# Allegro board LAY_90818_C.brd (continued)
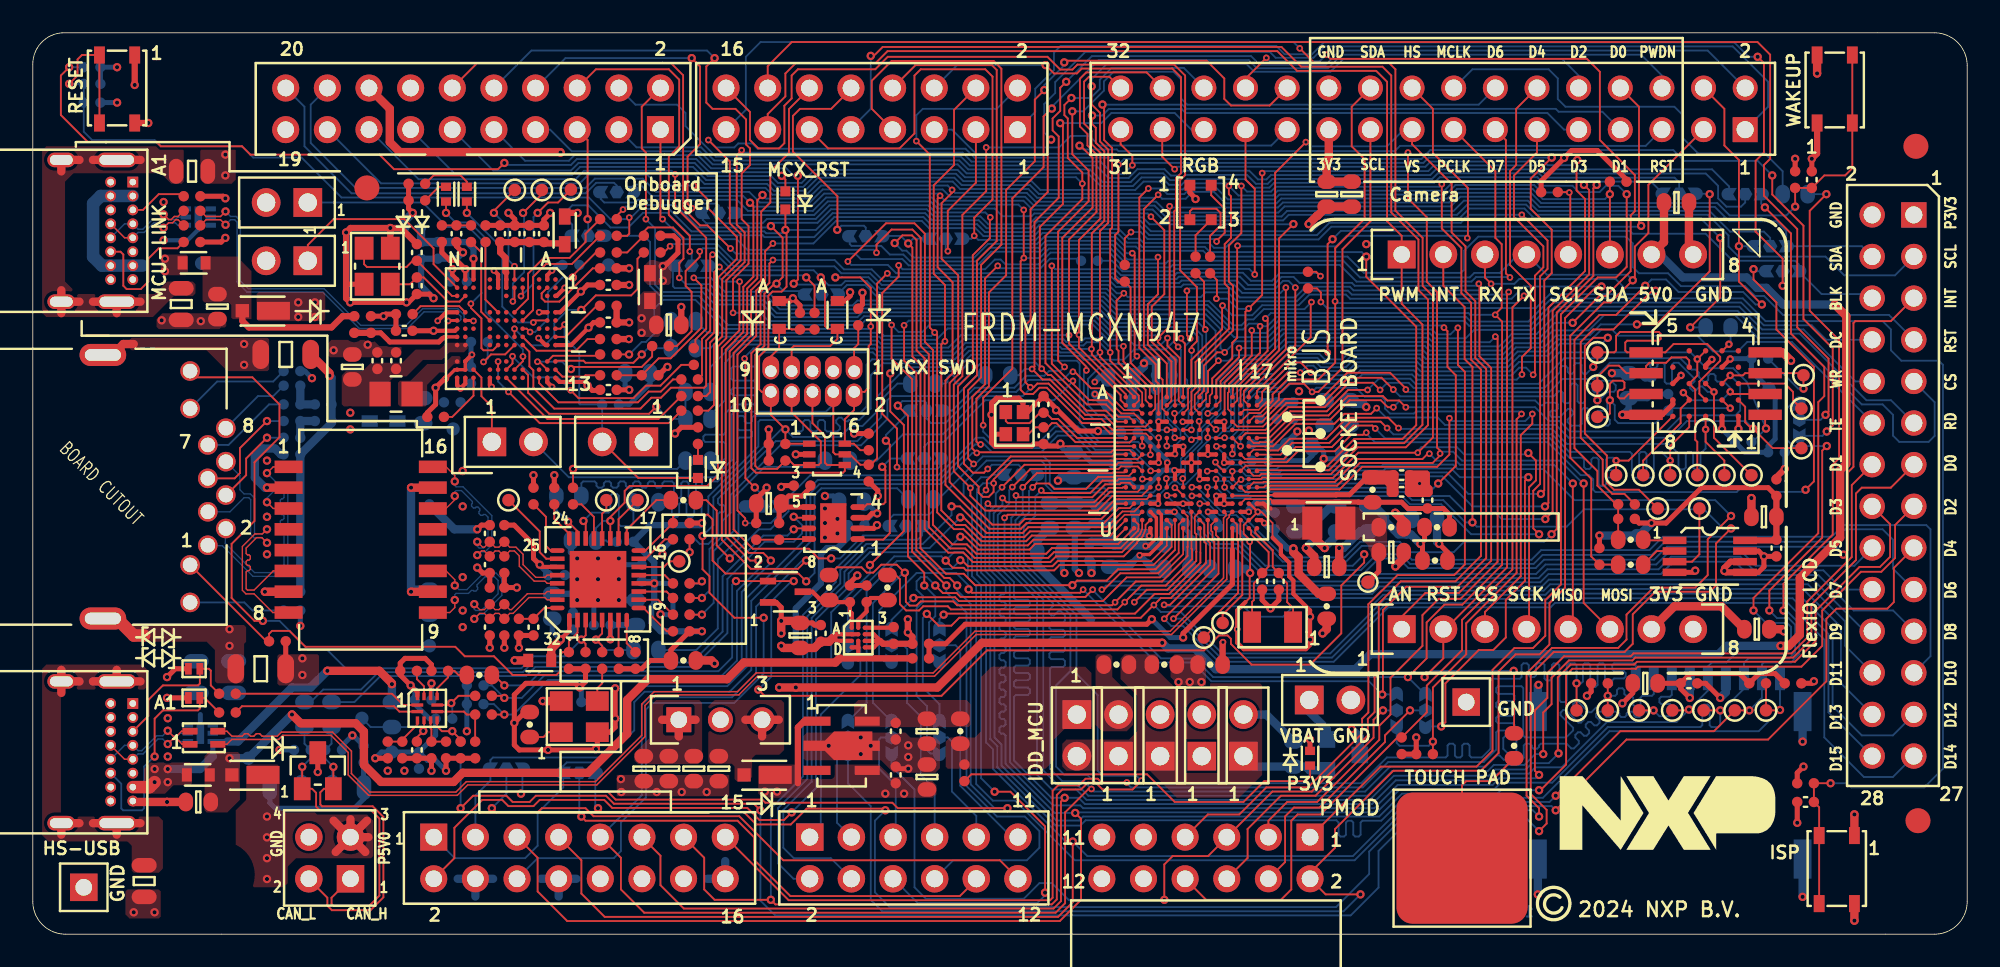
[diagram p0: board, top side]
## Copper pours and planes (outline as drawn; the poured copper is in the pictures) (continued)
EPHY_VDDA on BOTTOM: 23.81,20.01 25.21,20.01 25.67,19.55 25.67,18.58 26.02,18.23 26.61,18.23 29.02,20.64 29.02,22.8 29.27,23.05 30.92,23.05 31.18,22.8 31.18,22.39 30.85,22.06 30.85,20.08 31.23,19.7 32.12,19.7 32.47,19.35 32.47,17.85 32.32,17.7 29.5,17.7 28.51,16.7 24.19,16.7 23.56,17.34 23.56,19.75
LDO_3V3 on TOP: 50.35,14.29 56.96,14.29 57.21,14.04 57.21,12.77 57.09,12.64 50.1,12.64 50.1,14.04
MCU_LINK_3V3 on TOP: 38.28,36.57 38.15,36.44 37.01,36.44 36.88,36.57 36.88,38.85 37.27,39.23 38.15,39.23 38.28,39.11
MCU_LINK_3V3 on BOTTOM: 33.21,41.6 33.21,33.34 33.59,33.34 33.72,33.21 34.85,33.21 35.11,33.47 35.11,35.87 35.37,36.14 37.02,36.14 37.53,36.64 37.53,41.72 37.4,41.85 33.46,41.85
MCU_LINK_3V3 on POWER: 26.61,40.83 26.35,40.83 26.1,40.58 26.1,40.33 27.49,38.93 27.49,37.41 27.16,37.08 24.24,37.08 24.19,37.02 24.19,36.52 24.32,36.39 27.37,36.39 28.13,37.15 28.13,39.06 28.38,39.31 31.94,39.31 32.45,38.8 33.59,38.8 33.84,39.06 33.84,39.44 33.59,39.69 32.83,39.69 32.45,40.07 27.37,40.07
MCU_LINK_VBAT on BOTTOM: 21.78,31.69 25.46,31.69 25.72,31.94 25.72,33.72 25.84,33.85 27.11,33.85 27.24,33.72 27.24,30.8 26.99,30.55 21.91,30.55 21.78,30.67
P5-9V_VIN on TOP: 38.04,14.29 40.65,14.29 40.83,14.11 40.83,10.61 40.6,10.38 36.92,10.38 36.69,10.61 36.69,11.04 37.78,12.13 37.78,14.04
P5-9V_VIN on BOTTOM: 38.42,13.78 38.42,2.61 38.54,2.48 42.61,2.48 43.12,2.99 43.12,8.32 40.83,10.61 40.83,13.78
USB_OTG_VBUS_5V on TOP: 9.59,10.48 7.17,10.48 6.79,10.1 6.79,8.7 6.92,8.58 8.06,8.58 8.57,9.08 9.59,9.08 9.71,9.21 9.71,10.35
USB_OTG_VBUS_5V on POWER: 3.36,13.66 5.9,13.66 5.9,10.74 6.31,10.33 8.44,10.33 8.7,10.08 8.7,8.58 8.57,8.45 3.36,8.45 2.98,8.83 2.98,13.28 ; 1 cut-out
VDD_P0/1 on POWER: 70.42,29.53 70.04,29.15 68.77,29.15 67.25,30.67 67.25,35.25 68.26,35.25 70.8,32.71 70.8,31.26 70.42,30.88
N17976562 on TOP: 64.83,16.96 64.83,12.77 65.21,12.39 66.74,12.39 67.12,12.77 67.12,14.42 65.85,15.69 65.85,16.96 65.72,17.09 64.96,17.09
N17976562 on POWER: 64.07,21.91 64.07,15.99 65.34,14.72 65.34,12.92 65.75,12.51 67.25,12.51 67.5,12.77 67.5,17.85 69.61,19.96 69.61,21.78 69.1,22.29 64.45,22.29
N18256242 on TOP: 8.95,48.07 9.21,47.82 9.21,45.91 9.08,45.79 8.44,45.79 7.81,46.42 2.48,46.42 1.97,45.91 1.97,39.82 2.73,39.06 7.43,39.06 8.19,39.82 9.76,39.82 9.92,39.67 9.92,39.08 9.76,38.93 8.6,38.93 7.33,37.66 0.82,37.66 0.57,37.91 0.57,47.82 0.82,48.07
N18262974 on TOP: 0.82,16.45 6.67,16.45 7.05,16.07 7.05,15.18 6.79,14.93 2.22,14.93 1.71,14.42 1.71,7.43 1.97,7.18 7.68,7.18 7.94,6.93 7.94,4 7.68,3.75 6.16,3.75 6.03,3.88 6.03,5.4 5.78,5.66 0.95,5.66 0.57,6.04 0.57,16.2
N18262974 on BOTTOM: 10.6,17.21 1.21,17.21 0.95,16.96 0.95,15.18 1.21,14.93 6.03,14.93 7.3,16.2 10.73,16.2 10.73,17.09
N18292445 on TOP: 26.02,35.27 25.56,35.27 25.07,34.79 24.06,34.79 23.04,33.77 22.41,33.77 22.28,33.64 22.28,32.33 22.41,32.2 23.94,32.2 24.06,32.32 24.06,33.52 24.82,34.28 25.07,34.28 25.08,34.28 25.19,34.28 25.69,34.79 26.04,34.79 26.09,34.84 26.09,35.2
N18292448 on TOP: 26.48,36.09 25.23,36.09 24.82,35.68 23.35,35.68 22.54,34.87 20.64,34.87 20.13,34.36 19.1,34.36 18.85,34.1 18.85,32.33 18.86,32.33 18.99,32.2 21.64,32.2 21.77,32.33 21.77,33.74 22.06,34.03 22.79,34.03 23.8,35.04 24.95,35.04 25.41,35.5 26.3,35.5 26.53,35.73 26.53,36.03
N18566301 on POWER: 70.95,12.29 74.51,12.29 77.53,15.31 77.53,18.51 77.89,18.86 81.82,18.86 82.13,18.56 82.13,12.36 79.11,9.34 71.18,9.34 70.42,10.1 70.42,11.75

Small or netless copper shapes (teardrops, artwork), in the pictures only: 11 on TOP

## Text on the board
BOTTOM: 170-90818 REV C | 07 | L4_SS
Board Geometry/Soldermask Bottom: 08 | SECONDARY SOLDERMASK
Ref Des/Silkscreen Bottom: ADC0_A0 | ADC0_B0 | P2_0 | P1_22 | P2_3 | P2_2 | P2_5 | P2_4 | P2_7 | P2_6 | P4_12 | OP0_INN | P4_16 | OP1_INN | P4_20 | OP2_INN | 3V3 | GND | P0_17 | P0_18 | P0_16 | P0_19 | NC | P4_1 | P1_0 | P4_0 | P1_1 | VDDA | ANA_6 | P1_12 | P0_25 | IOREF | P0_3 | P0_26 | RESET | P5_4 | P0_24 | P5_3 | P0_27 | 5V0 | P5_2 | P0_10 | P0_28 | ADC1_B0 | VIN | P3_21 | P0_31 | P3_19 | P1_2 | P3_17 | P1_21 | P3_18 | P0_30 | P0_14 | P1_23 | P0_22 | P3_20 | P0_29 | P0_15 | P4_13 | P4_2 | P3_16 | P0_23 | P4_3 | P5_8 | P1_8 | P5_9 | P1_9 | P3_2 | P1_13 | P3_3 | P4_4 | P5_6 | P0_20 | P0_4 | P0_11 | P0_5 | P1_11 | P1_10 | P3_5 | P3_22 | P3_4 | P1_7 | P1_6 | P1_5 | P1_4 | P1_19 | P1_18 | P1_17 | P1_16 | P1_15 | P1_14 | P0_9 | P4_5 | P0_7 | P0_13 | P4_19 | P2_9 | P2_11 | P4_15 | P4_17 | P4_23 | P4_21 | P0_8 | P2_8 | P4_6 | P4_7 | P0_12 | P2_10 | P4_14 | P2_18 | P4_22 | 1 | ANA_4 | P1_3 | P5_7 | P3_23 | P3V3 | P5V0 | 09 | SECONDARY SILKSCREEN
User.Comments: 1 OF 1 | TEST PROBE | 1/1 | 1
TOP: 04 | L1_PS
Board Geometry/Soldermask Top: 03 | PRIMARY SOLDERMASK
Ref Des/Silkscreen Top: MISO | MOSI | CAN_L | CAN_H | 3V3 | GND | SDA | SCL | HS | VS | MCLK | PCLK | D6 | D7 | D4 | D5 | D2 | D3 | D0 | D1 | PWDN | RST | mikro | WR | TE | D9 | D11 | D13 | D15 | CS | RD | D8 | D10 | D12 | D14 | P5V0 | BLK | DC | P3V3 | INT | PWM | AN | RX | SCK | TX | 5V0 | Onboard | Debugger | VBAT | IDD_MCU | SOCKET BOARD | 02 | PRIMARY SILKSCREEN | FRDM-MCXN947 | BUS
GND: 05 | L2_GND
POWER: 06 | L3_POWER
XSECTION_CHART: LAYERS | L1_PS | L4_SS | TRACE WIDTH | 4.40 | SE | IMPEDANCE | 50.00 | 3.50 | TRACE SPACING | 4.30 | 90.00 | 3.15 | DIFF | 5.95 | 100.00 | REFERENCE LAYER | 2 | 3 | SCALE: NONE | ALL VALUES ARE FINISHED VALUES | BOARD THICKNESS TOLERANCE +/-10% | 22. THIS BOARD USES VIA-IN-PAD: SEE FAB_VIAFILL.ART | A. ALL VIAS USING 10.1 DRILL SIZES ARE TO BE FILLED WITH NON-CONDUCTIVE VIA FILL. | B. OVERPLATE THE FILLED VIA AND APPLY FINISH METAL TREATMENT. | C. DIMPLE ON VIA-IN-PADS MUST BE NO GREATER THAN .003" AND PROTRUSION NO GREATER THAN .002" | LACKWERKE-PETERS PP2795 OR EQUIVALENT AND MADE PLANAR TO THE PADS. | 21. THIEVING REQUIREMENT: | C. COPPER THIEVING ADDITION IS NOT ALLOWED. | 19 | 16 | 22 | *  SURFACE - AIR 0 MIL(+0/-0) | * SOLDERMASK_TOP MASK - POLYIMIDE 1.18 MIL(+0/-0) | L1 TOP CONDUCTOR - COPPER_PLATED 1.8 MIL(+0/-0) | *  DIELECTRIC - FR-4 3.01 MIL(+0/-0) | L2 GND PLANE - COPPER 1.2 MIL(+0/-0) | *  DIELECTRIC - FR-4 48.43 MIL(+0/-0) | L3 POWER PLANE - COPPER 1.2 MIL(+0/-0) | L4 BOTTOM CONDUCTOR - COPPER_PLATED 1.8 MIL(+0/-0) | * SOLDERMASK_BOTTOM MASK - POLYIMIDE 1.18 MIL(+0/-0) | DESIGN CROSS SECTION CHART | ___________________________ | TOTAL THICKNESS 62.81 MIL | DETAIL | LAYER STACKUP | 1-4 | A
DIMENSION: BOARD CUTOUT | PRIMARY DATUM | GRID ORIGIN
BODY_CENTER: 01 | PRIMARY PASTEMASK
PASTEMASK_BOTTOM: 10 | SECONDARY PASTEMASK
User.11: OF 10
User.14: 22. THIS FAB_VIAFILL.ART SHOWS LOCATIONS OF VIA-IN-PAD TO BE FILLED. | 1/1 | 2 | 3
User.15: 24. | 1/1 | 3 | CAD DESIGNER: DELETE THIS FAB PAGE IF BACKDRILL IS NOT USED ON THIS DESIGN. | FAB SUPPLIER: DISREGARD THIS PAGE IF BACKDRILL REQUIRMENT IS NOT PROVIDED.
User.17: 09-18-23 | 03-28-24 | K.F. | S.D. | A.Z. | B | C | UPDATE
User.21: TOP TO LAYER X | BACK DRILL REFERENCE | BOTTOM TO LAYER X | LAYER X | MUST CUT LAYER | LAYER X+1 | MUST NOT CUT LAYER | LAYER X-1
User.22: FIGURE | FINISHED_SIZE | 8.0 | 10.0 | 10.1 | 16.0 | 28.0 | 35.0 | 40.0 | 41.0 | 44.0 | 37.0 | 125.0 | 55.0x24.0 | 83.0x24.0 | 87.0x28.0 | DRILL CHART: TOP to BOTTOM | ALL UNITS ARE IN MILS | TOLERANCE_DRILL | +0.0/-8.0 | +0.0/-10.0 | +0.0/-10.1 | +2.0/-2.0 | +3.0/-3.0 | PLATED | NON-PLATED | QTY | 275 | 451 | 18 | 32 | 10 | 12 | 89 | 72 | 20 | 2 | 4 | 995 | TOTAL HOLES:
